# Altium PCB D5035_01.PcbDoc
Units mm, origin at the board's own origin, x right, y up, seen from the top; angles counter-clockwise.
Board outline 61 x 33 mm, 2 copper layers (Top Layer, Bottom Layer), stack 1.57 mm thick; 66 components, 57 nets, 257 pads, 37 vias.
Unrouted connection lines stored in the file: 1.
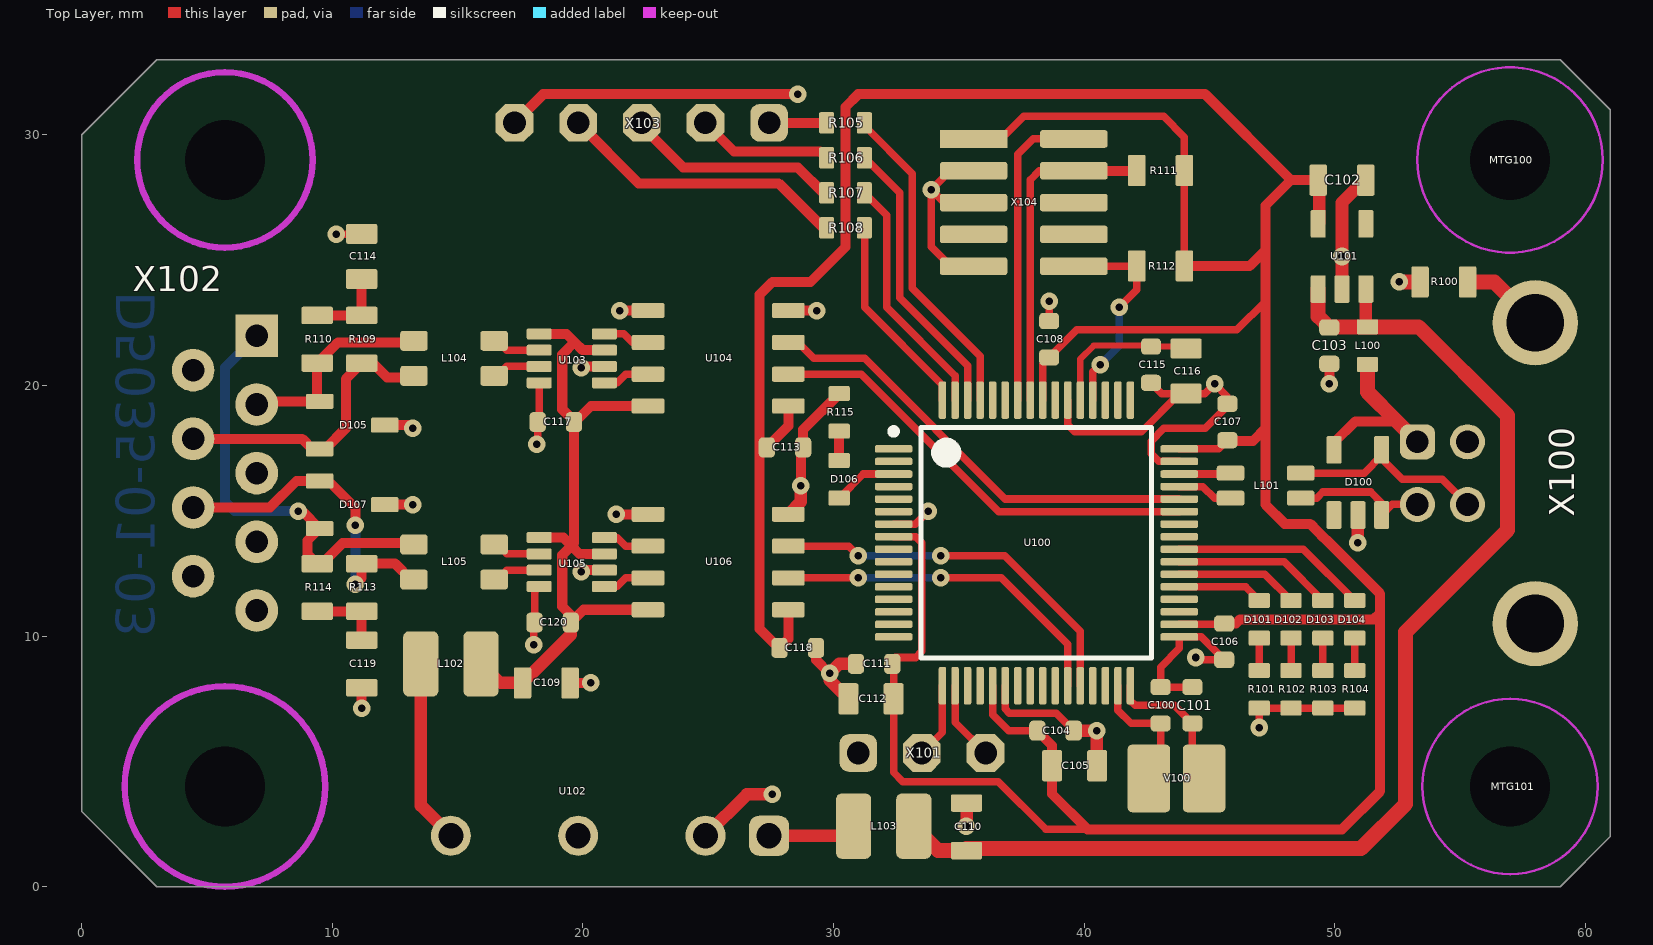
[diagram p0: Top Layer view]
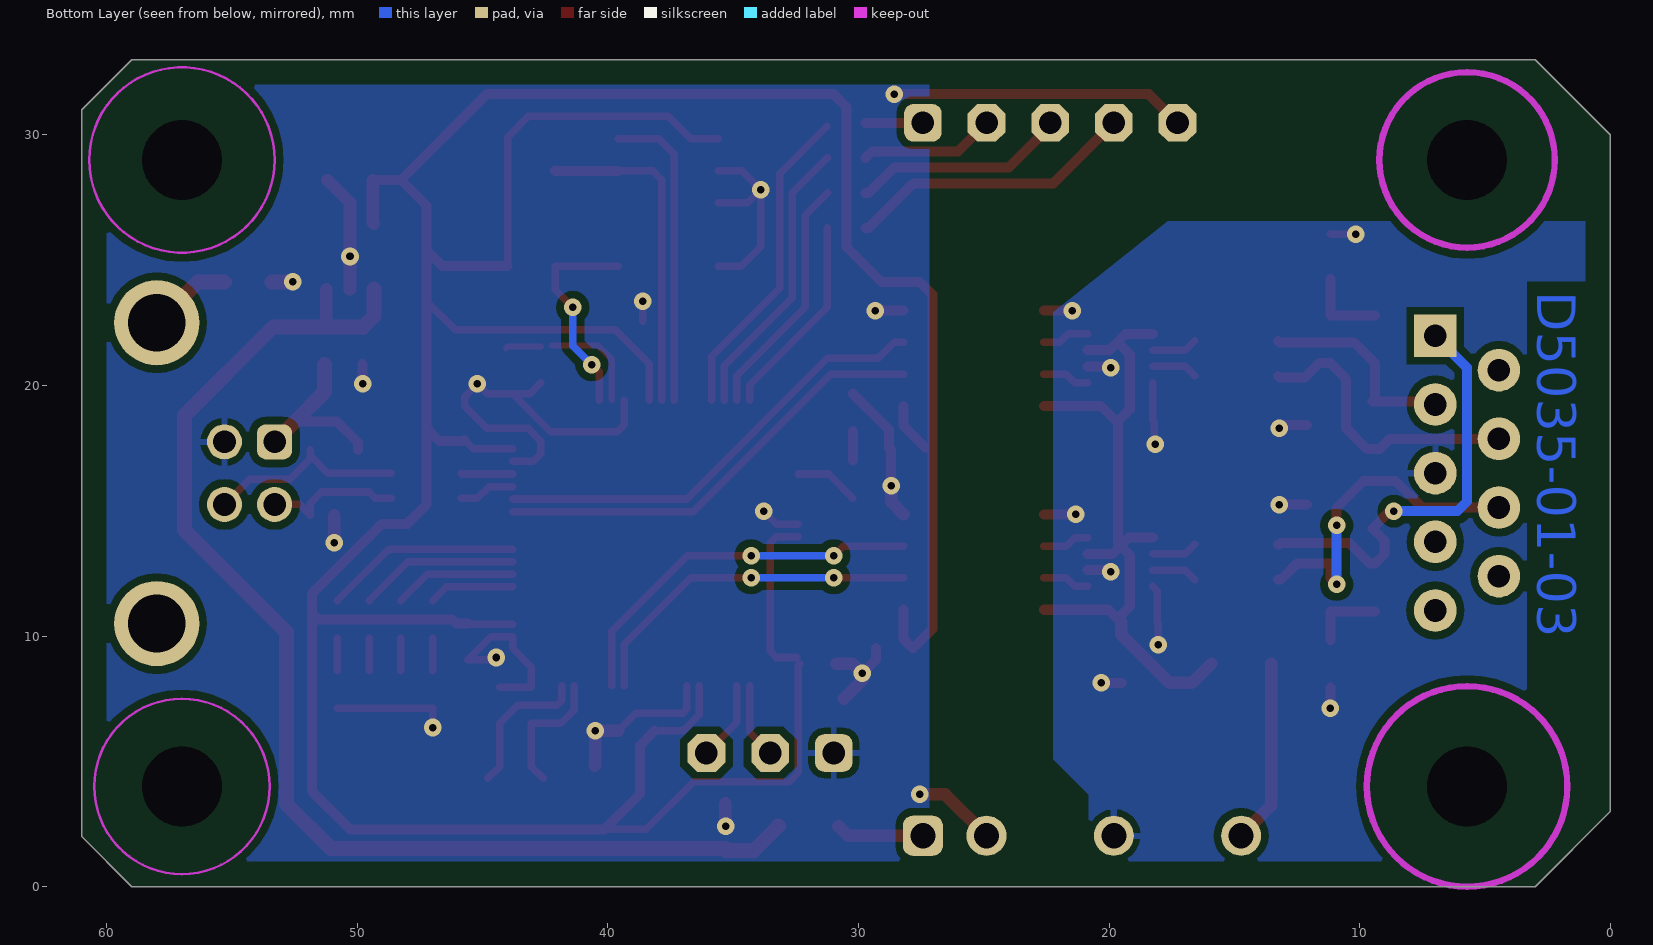
[diagram p1: Bottom Layer view, seen from below]
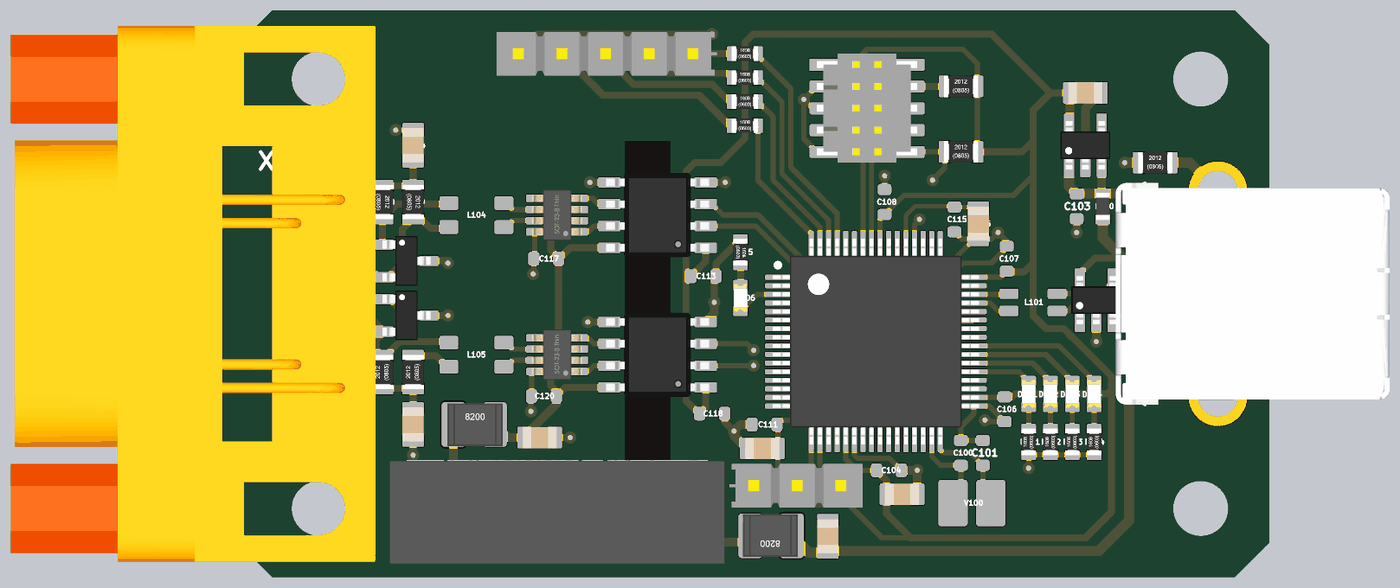
[diagram p2: 3D render of the assembled board from above, using the file's embedded part models]

## Layer stack, top to bottom
Top Solder: solder mask 0.01, Solder Resist, Dk 3.5
Top Layer: signal copper 0.035
Dielectric 1: dielectric 1.5, FR-4, Dk 4.8
Bottom Layer: signal copper 0.035
Bottom Solder: solder mask 0.01, Solder Resist, Dk 3.5

## Board outline
0,3 0,30 3,33 59,33 61,31 61,2 59,0 3,0

## Design rules (kind name [scope] priority, off if disabled: settings)
BoardOutlineClearance [All] p1: gap=1 ignorepadtopadclearanceinfootprint=FALSE
Clearance [All] p1: gap=0.152 ignorepadtopadclearanceinfootprint=FALSE except(0: Arc-Hole Track-Hole SMDPad-Hole THPad-Hole Via-Hole Fill-Hole Poly-Hole Region-Hole Text-Hole; 0.305: Arc-Poly Track-Poly SMDPad-Poly THPad-Poly Via-Poly Fill-Poly Poly-Poly) // 1
DiffPairsRouting [All] p1: maxlimit=0.254 minlimit=0.2 mostfreqgap=0.254 toplayer_minwidth=0.25 toplayer_maxwidth=0.381 toplayer_prefwidth=0.3 bottomlayer_minwidth=0.25 bottomlayer_maxwidth=0.381 bottomlayer_prefwidth=0.3 maxuncoupledlength=12.7
HoleSize [All] p1: absolutevalues=TRUE maxlimit=5.08 minlimit=0.3 maxpercent=80.000 minpercent=20.000
MinimumSolderMaskSliver [All] p1: minsoldermaskwidth=0.051
PasteMaskExpansion [All] p1 off: expansion=0
PolygonConnect PolygonConnect_2 [IsVia] p1: connectstyle=Direct reliefconductorwidth=0.254 reliefentries=4 polygonreliefangle="90 Angle" airgapwidth=0.254
PolygonConnect PolygonConnect_1 [IsPad] p2: thpad.connectstyle=Relief thpad.reliefconductorwidth=0.254 thpad.reliefentries=4 thpad.polygonreliefangle="90 Angle" thpad.airgapwidth=0.254 smdpad.connectstyle=Direct smdpad.reliefconductorwidth=0.254 smdpad.reliefentries=4 smdpad.polygonreliefangle="90 Angle" smdpad.airgapwidth=0.254 via.connectstyle=Direct via.reliefconductorwidth=0.254 via.reliefentries=4 via.polygonreliefangle="90 Angle" via.airgapwidth=0.254
PolygonConnect [All] p3: connectstyle=Relief reliefconductorwidth=0.406 reliefentries=4 polygonreliefangle="90 Angle" airgapwidth=0.254
RoutingVias [All] p1: holewidth=0.3 width=0.6 viastyle="Through Hole" minholewidth=0.3 minwidth=0.6 maxholewidth=1 maxwidth=2
SilkToBoardRegionClearance [All] p1 off:
SilkToSilkClearance [All] p1 off: silktosilkclearance=0.254
SilkToSolderMaskClearance [IsPad] p1 off: minsilkscreentomaskgap=0.254 clearancetoexposedcopper=TRUE
SolderMaskExpansion SolderMaskExpansion_VIA [IsVia] p1: expansion=0.051 istentingtop=FALSE soldermaskfromhole=TRUE
SolderMaskExpansion [All] p2: expansion=0.051 istentingtop=FALSE
Width [All] p1: maxlimit=2.54 minlimit=0.25 preferedwidth=0.3 minimp=50.000000 maximp=50.000000 favimp=50.000000
23 further rules are at their usual default settings.

## Components (designator, comment, footprint, x,y, rotation, side; value= is the part's Value field where it differs from the comment)
C100 "6p" CAPC1608X09L 43.053,7.239 r90 top
C101 "6p" CAPC1608X09L 44.323,7.239 r90 top
C102 "4µ7" CAPC2012X14L#1 50.292,28.194 r180 top
C103 "100n" CAPC1608X09L 49.784,21.59 r90 top
C104 "100n" CAPC1608X09L 38.862,6.223 r180 top
C105 "4µ7" CAPC2012X14L#2 39.624,4.826 r180 top
C106 "100n" CAPC1608X09L 45.593,9.779 r90 top
C107 "100n" CAPC1608X09L 45.72,18.542 r270 top
C108 "100n" CAPC1608X09L 38.608,21.844 r270 top
C109 "4µ7" CAPC2012X14L#1 18.542,8.128 r180 top
C110 "4µ7" CAPC2012X14L#1 35.31,2.387 r270 top
C111 "100n" CAPC1608X09L 31.623,8.89 r0 top
C112 "4µ7" CAPC2012X14L#2 31.496,7.493 r0 top
C113 "100n" CAPC1608X09L 28.067,17.526 r180 top
C114 "4n7" CAPC2012X14L#2 11.176,25.146 r270 top
C115 "100n" CAPC1608X09L 42.672,20.828 r90 top
C116 "4µ7" CAPC2012X14L#2 44.069,20.574 r90 top
C117 "100n" CAPC1608X09L 18.923,18.542 r0 top
C118 "100n" CAPC1608X09L 28.575,9.525 r180 top
C119 "4n7" CAPC2012X14L#1 11.176,8.89 r90 top
C120 "100n" CAPC1608X09L 18.796,10.541 r0 top
D100 "WE_824011" SOT95P280X110-5N 50.927,16.129 r90 top
D101 "red" DIOC1608X06N_LED 46.99,10.668 r90 top
D102 "yellow" DIOC1608X06N_LED 48.26,10.668 r90 top
D103 "green" DIOC1608X06N_LED 49.53,10.668 r90 top
D104 "blue" DIOC1608X06N_LED 50.8,10.668 r90 top
D105 "PESD1CAN" SOT95P280X110-3N 10.795,18.415 r0 top
D106 "green" DIOC1608X06N_LED 30.226,16.256 r270 top
D107 "PESD1CAN" SOT95P280X110-3N 10.795,15.24 r0 top
L100 "WE_742792641" INDC1608X06L 51.308,21.59 r90 top
L101 "WE_744232090" WE_744232090 47.244,16.002 r180 top
L102 "82103C" Murata_8200C 14.732,8.89 r0 top
L103 "82103C" Murata_8200C 32.004,2.413 r180 top
L104 "ACT1210-101-2P-TL00" ACT1210 14.859,21.082 r0 top
L105 "ACT1210-101-2P-TL00" ACT1210 14.859,12.954 r0 top
MTG100 "MH_M3" HOLE_3_2MM 57,29 r0 top
MTG101 "MH_M3" HOLE_3_2MM 57,4 r0 top
R100 "100k" RESC2012X06L 54.356,24.13 r0 top
R101 "1k" RESC1608X06L 46.99,7.874 r90 top
R102 "1k" RESC1608X06L 48.26,7.874 r90 top
R103 "1k" RESC1608X06L 49.53,7.874 r90 top
R104 "1k" RESC1608X06L 50.8,7.874 r90 top
R105 "1k" RESC1608X06L 30.48,30.48 r0 top
R106 "1k" RESC1608X06L 30.48,29.083 r0 top
R107 "1k" RESC1608X06L 30.48,27.686 r0 top
R108 "1k" RESC1608X06L 30.48,26.289 r0 top
R109 "4k7" RESC2012X06L 11.176,21.844 r270 top
R110 "4k7" RESC2012X06L 9.398,21.844 r270 top
R111 "10k" RESC2012X06L 43.053,28.575 r0 top
R112 "10k" RESC2012X06L 43.053,24.765 r0 top
R113 "4k7" RESC2012X06L 11.176,11.938 r90 top
R114 "4k7" RESC2012X06L 9.398,11.938 r90 top
R115 "1k" RESC1608X06L 30.226,18.923 r270 top
U100 "SAME51J19A-AU" TSQFP50P1200X1200X120-64N 38.1,13.716 r0 top
U101 "MIC5233-3.3YM5" SOT95P280X110-5N 50.292,25.146 r90 top
U102 "MER1S0505SC" MER1SxxxxC 19.812,2.032 r180 top
U103 "TCAN1044V" SOT65P280X100-8N 19.558,21.082 r180 top
U104 "SI8621EC-B-IS" SOIC127P600X175-8N 25.4,21.082 r180 top
U105 "TCAN1044V" SOT65P280X100-8N 19.558,12.954 r180 top
U106 "SI8621EC-B-IS" SOIC127P600X175-8N 25.4,12.954 r180 top
V100 "16MHz" NX3225Gx 43.688,4.318 r180 top
X100 "61729-0010BLF" 61729-XXXXXLF 58,16.5 r90 top
X101 "1x3 2,54mm" PINH_1x03_2_54mm 33.528,5.334 r0 top
X102 "9651226803" 09651226803 6.985,16.5 r90 top
X103 "1x5 2,54mm" PINH_1x05_2_54mm 22.352,30.48 r180 top
X104 "SWD" FTSH-105-01-L-DV-K 37.592,27.305 r270 top

## Footprints (in the part's own frame and the unit in brackets; to place one, negate y for a bottom-side part, rotate by r counter-clockwise, add the part's x,y. Pads: shape width x height; smd on the part's side, far side on the other; paste and mask are expansions set on the pad)
61729-XXXXXLF [mm] "USB Buchse"
  rrect50% 1.4x1.4 hole 0.9: 1(1.25,4.7)
  round 1.4 hole 0.9: 2(-1.25,4.7) 3(-1.25,2.7) 4(1.25,2.7)
  round 3.4 hole 2.3: Shell(-6,0) Shell(6,0)
  body extent -6.56,-10 6.56,5.94, height 1.15
09651226803 [mm]
  rect 1.7x1.7 hole 0.9: 1(5.48,0)
  round 1.7 hole 0.9: 2(2.74,0) 3(0,0) 4(-2.74,0) 5(-5.48,0) 6(4.11,2.54) 7(1.37,2.54) 8(-1.37,2.54) 9(-4.11,2.54)
  round 0 hole 3.2 unplated: SH(-12.5,1.27) SH(12.5,1.27)
  body extent -15.6,-2 15.6,19.2, height 13.62
ACT1210 [mm]
  rrect30% 1.1x0.8 smd: 1(-1.6,0.7) 2(-1.6,-0.7) 3(1.6,-0.7) 4(1.6,0.7)
  body extent -1.6,-1.3 1.6,1.3, height 2.5
CAPC1608X09L [mm] "Chip Capacitor, 2-Leads, Body 1,6x0,8mm, IPC High Density"
  rrect50% 0.65x0.8 smd: 1(-0.725,0) 2(0.725,0)
  body extent -0.8,-0.4 0.8,0.4, height 0.9
CAPC2012X14L#1 [mm] "Chip Capacitor, 2-Leads, Body 2,0x1,3mm, IPC High Density"
  rrect20% 0.7x1.25 smd: 1(-0.95,0) 2(0.95,0)
  body extent -1,-0.62 1,0.62, height 0.6
CAPC2012X14L#2 [mm] "Chip Capacitor, 2-Leads, Body 2,0x1,3mm, IPC High Density"
  rrect20% 0.8x1.25 smd: 1(-0.9,0) 2(0.9,0)
  body extent -1,-0.62 1,0.62, height 0.6
DIOC1608X06N_LED [mm]
  rrect20% 0.6x0.85 smd: 1(-0.75,0) 2(0.75,0)
  body extent -0.8,-0.4 0.8,0.4, height 0.7
FTSH-105-01-L-DV-K [mm] "SAMTEC FTSH 5pin doppelreihig, 1,27mm x 1,27mm"
  rect 0.7x2.7 smd: 1(-2.53,-2)
  rrect30% 0.7x2.7 smd: 2(-2.53,2) 3(-1.26,-2) 4(-1.26,2) 5(0.01,-2) 6(0.01,2) 7(1.28,-2) 8(1.28,2) 9(2.55,-2) 10(2.55,2)
  body extent -3.17,-2.92 3.18,2.92, height 6.11
HOLE_3_2MM [mm] "Mouting-Hole for screws M3 with keepout for washer"
  round 0 hole 3.2 unplated: 1(0,0)
  Keep-Out Layer circle w0.1: c0,0 r3.7
INDC1608X06L [mm] "Ferrite Bead 2-Leads, Body 1,6x0,8mm, IPC High Density"
  rrect20% 0.6x0.85 smd: 1(-0.75,0) 2(0.75,0)
  body extent -0.8,-0.4 0.8,0.4, height 0.8
MER1SxxxxC [mm]
  rrect50% 1.6x1.6 hole 1: 1(-7.62,0)
  round 1.6 hole 1: 2(-5.08,0) 4(0,0) 6(5.08,0)
  body extent -9.5,-4.77 10,1.25, height 10.1
Murata_8200C [mm]
  rrect30% 1.4x2.6 smd paste+0 mask+0.102: 1(-1.2,0)
  rrect30% 1.4x2.6 smd: 2(1.2,0)
  body extent -1.55,-1.26 1.65,1.24, height 2
NX3225Gx [mm] "Quartz Crystal Units NX3225Gx for Automotive, 2-Leads, Body 3.2x2.5mm, IPC Medium Density"
  rrect20% 1.7x2.7 smd: 1(-1.1,0) 2(1.1,0)
  body extent -1.7,-1.3 1.7,1.3, height 1
PINH_1x03_2_54mm [mm] "Pin-Header 3 polig"
  rrect50% 1.5x1.5 hole 0.9: 1(-2.54,0)
  oct 1.5x1.5 hole 0.9: 2(0,0) 3(2.54,0)
  body extent -3.94,-1.27 3.81,1.27, height 8.38
PINH_1x05_2_54mm [mm] "Pin-Header 5 polig"
  rrect50% 1.5x1.5 hole 0.9: 1(-5.08,0)
  oct 1.5x1.5 hole 0.9: 2(-2.54,0) 3(0,0) 4(2.54,0) 5(5.08,0)
  body extent -6.5,-1.27 6.32,1.27, height 8.38
RESC1608X06L [mm] "Chip Resistor, 2-Leads, Body 1,6x0,8mm, IPC High Density"
  rrect20% 0.6x0.85 smd: 1(-0.75,0) 2(0.75,0)
  body extent -0.78,-0.43 0.78,0.43, height 0.45
RESC2012X06L [mm] "Chip Resistor, 2-Leads, Body 2,0x1,3mm, IPC High Density"
  rrect20% 0.7x1.25 smd: 1(-0.95,0) 2(0.95,0)
  body extent -1,-0.62 1,0.62, height 0.45
SOIC127P600X175-8N [mm] "SOIC, 8-Leads, Body 5,0x4,0mm (max), Pitch 1,27mm, IPC Medium Density"
  rrect20% 1.3x0.6 smd: 1(-2.8,1.905) 2(-2.8,0.635) 3(-2.8,-0.635) 4(-2.8,-1.905) 5(2.8,-1.905) 6(2.8,-0.635) 7(2.8,0.635) 8(2.8,1.905)
  body extent -3,-2.45 3,2.45, height 1.7
SOT65P280X100-8N [mm] "SOT23, 8-Leads, Body 3,0x3,0mm (max), Pitch 0,65mm, IPC Medium Density"
  rrect30% 1x0.44 smd: 1(-1.3,0.975) 2(-1.3,0.325) 3(-1.3,-0.325) 4(-1.3,-0.975) 5(1.3,-0.975) 6(1.3,-0.325) 7(1.3,0.325) 8(1.3,0.975)
  body extent -1.47,-1.47 1.47,1.47, height 1.1
SOT95P280X110-3N [mm] "SOT23, 3-Leads, Body 3,0x3,0mm (max), Pitch 0,95mm, IPC Medium Density"
  rrect20% 1.1x0.6 smd: 1(-1.3,0.95) 2(-1.3,-0.95) 3(1.3,0)
  body extent -1.4,-1.45 1.4,1.45, height 1.3
SOT95P280X110-5N [mm] "SOT23, 5-Leads, Body 3,0x3,0mm (max), Pitch 0,95mm, IPC Medium Density"
  rrect20% 1.1x0.6 smd: 1(-1.3,0.95) 2(-1.3,0) 3(-1.3,-0.95) 4(1.3,-0.95) 5(1.3,0.95)
  body extent -1.4,-1.45 1.4,1.45, height 1.45
TSQFP50P1200X1200X120-64N [mm] "TSQFP, 64-Leads, Body 10,00x10,00mm, Pitch 0,50mm, IPC Medium Density"
  rrect50% 1.5x0.3 smd: 1(-5.7,3.75) 2(-5.7,3.25) 3(-5.7,2.75) 4(-5.7,2.25) 5(-5.7,1.75) 6(-5.7,1.25) 7(-5.7,0.75) 8(-5.7,0.25) 9(-5.7,-0.25) 10(-5.7,-0.75) 11(-5.7,-1.25) 12(-5.7,-1.75) 13(-5.7,-2.25) 14(-5.7,-2.75) 15(-5.7,-3.25) 16(-5.7,-3.75) 33(5.7,-3.75) 34(5.7,-3.25) 35(5.7,-2.75) 36(5.7,-2.25) 37(5.7,-1.75) 38(5.7,-1.25) 39(5.7,-0.75) 40(5.7,-0.25) 41(5.7,0.25) 42(5.7,0.75) 43(5.7,1.25) 44(5.7,1.75) 45(5.7,2.25) 46(5.7,2.75) 47(5.7,3.25) 48(5.7,3.75)
  rrect50% 0.3x1.5 smd: 17(-3.75,-5.7) 18(-3.25,-5.7) 19(-2.75,-5.7) 20(-2.25,-5.7) 21(-1.75,-5.7) 22(-1.25,-5.7) 23(-0.75,-5.7) 24(-0.25,-5.7) 25(0.25,-5.7) 26(0.75,-5.7) 27(1.25,-5.7) 28(1.75,-5.7) 29(2.25,-5.7) 30(2.75,-5.7) 31(3.25,-5.7) 32(3.75,-5.7) 49(3.75,5.7) 50(3.25,5.7) 51(2.75,5.7) 52(2.25,5.7) 53(1.75,5.7) 54(1.25,5.7) 55(0.75,5.7) 56(0.25,5.7) 57(-0.25,5.7) 58(-0.75,5.7) 59(-1.25,5.7) 60(-1.75,5.7) 61(-2.25,5.7) 62(-2.75,5.7) 63(-3.25,5.7) 64(-3.75,5.7)
  silkscreen extent -5.82,-4.6 4.6,4.6, body extent -6,-6 6,6, height 1.2
WE_744232090 [mm] "SMD Stromkomp. Datenleitungsfilter WE-CNSW"
  rrect30% 1.1x0.6 smd: 1(-1.4,0.5) 2(1.4,0.5) 3(1.4,-0.5) 4(-1.4,-0.5)
  body extent -1.7,-0.9 1.7,0.9, height 1.8

## Part data
C100 C101 C103 C104 C106 C107 C108 C111 C113 C115 C117 C118 C120: library part CAPC_0603, "0603 Chip Capacitor", Bauteilart=Capacitor, Editor=rriedel, Kategorie=generic, PackageDescription=0603, Part Number=CAPC_0603, Status=tested, Unterart=unpolarized
C102 C105 C109 C110 C112 C114 C116 C119: library part CAPC_0805, "0805 Chip Capacitor", Bauteilart=Capacitor, Editor=rriedel, Kategorie=generic, PackageDescription=0805, Part Number=CAPC_0805, Status=tested, Unterart=unpolarized
D100: "TVS Diode Array WE-TVS", Manufacturer=Wuerth, Bauteilart=Diode, Date=22.06.2020, Distributor_1=Digi-Key, Distributor_1_Part_Number=732-4465-1-ND, Editor=rriedel, Kategorie=Part, PackageDescription=SOT23-5, Part Number=WE_824011, Part_Number_1=824011, Status=new, Unterart=ESD
D101 D102 D103 D104 D106: library part LED_0603, "LED, 0603", Bauteilart=Diode, Date=29.06.2020, Editor=rriedel, Kategorie=generic, PackageDescription=0603, Part Number=LED_0603, Status=new, Unterart=generic
D105 D107: "CAN bus ESD protection diode", Manufacturer=Nexperia, Bauteilart=Diode, Date=27.06.2020, Distributor_1=Digi-Key, Distributor_1_Part_Number=1727-3817-1-ND, Editor=rriedel, Kategorie=Part, PackageDescription=SOT23, Part Number=PESD1CAN, Part_Number_1=PESD1CAN, Status=new, Unterart=Transil
L100: "SMT EMI suppression ferrite bead WE-CBF", Manufacturer=Wuerth, Bauteilart=Inductor, Date=22.06.2020, Distributor_1=Digi-Key, Distributor_1_Part_Number=732-1592-1-ND, Editor=rriedel, Kategorie=Part, PackageDescription=0603, Part Number=WE_742792641, Part_Number_1=742792641, Status=new, Unterart="Ferrite Bead"
L101: "SMD common mode noise suppressor WE-CNSW", Manufacturer=Wuerth, Bauteilart=Inductor, Date=22.06.2020, Distributor_1=Digi-Key, Distributor_1_Part_Number=732-1469-1-ND, Editor=rriedel, Kategorie=Part, PackageDescription=3216, Part Number=WE_744232090, Part_Number_1=744232090, Status=new, Unterart=Filter
L102 L103: "10µH, 0,5A, 400mR", Manufacturer=Murata, Bauteilart=Inductor, Date=27.06.2020, Distributor_1=Digi-Key, Distributor_1_Part_Number=811-2473-1-ND, Editor=rriedel, Kategorie=Part, PackageDescription="3,2x2,5 mm", Part Number=82103C, Part_Number_1=82103C, Status=new, Unterart=Power
L104 L105: "Common Mode Filter,  -50°C ... +150°C, AEC-Q200", Manufacturer=TDK, Bauteilart=Inductor, Date=17.10.2017, Distributor_1=Farnell, Distributor_1_Part_Number=2442838, Distributor_2=Digi-Key, Distributor_2_Part_Number=445-172386-1-ND, Editor=rriedel, Kategorie=Part, PackageDescription=3225, Part Number=ACT1210-101-2P-TL00, Part_Number_1=ACT1210-101-2P-TL00, Status=tested, Unterart=Filter
MTG100 MTG101: "Mounting-Hole for M3 screws", Bauteilart=Mechanic, Date=13.05.2018, Editor=rriedel, Kategorie=No_Bom, Part Number=MH_M3, Status=tested, Unterart=Holes
R100 R109 R110 R111 R112 R113 R114: library part RESC_0805, "0805 Chip Resistor", Bauteilart=Resistor, Editor=rriedel, Kategorie=generic, PackageDescription=0805, Part Number=RESC_0805, Status=tested, Unterart=generic
R101 R102 R103 R104 R105 R106 R107 R108 R115: library part RESC_0603, "0603 Chip Resistor", Bauteilart=Resistor, Editor=rriedel, Kategorie=generic, PackageDescription=0603, Part Number=RESC_0603, Status=tested, Unterart=generic
U100: "32-bit Microcontroller, 120MHz Cortex M4-F, 512k FLASH,  2x CAN-FD, -40…85°C", Manufacturer=Microchip, Bauteilart=MikroController, Date=15.07.2018, Distributor_1=Digi-Key, Distributor_1_Part_Number=ATSAME51J19A-AUTCT-ND, Editor=rriedel, Kategorie=Part, PackageDescription=TQFP64-0.5mm, Part Number=SAME51J19A-AU, Part_Number_1=SAME51J19A-AU, Status=tested, Unterart="32bit Microchip"
U101: library part MIC5233-3.3, "100 mA LDO,  Vout= 3,3V, -40°C..125°C", Manufacturer=Microchip, Bauteilart=IC, ComponenLinkDescription=Datasheet, ComponenLinkURL="D:\Altium_lib_HW-Labor_GF\Altium_lib\Datenblaetter\pcb\Integrierte Schaltkreise\Microchip\mic5233.pdf", Date=15.09.2016, Distributor_1=Farnell, Distributor_1_Part_Number=2510274, Editor=rriedel, Kategorie=Part, PackageDescription=SOT23-5, Part Number=MIC5233-3.3, Part_Number_1=MIC5233-3.3YM5, Status=tested, Unterart=Linear-Regulators
U102: "Isolated 1W Single Output DC-DC Converters 5V/5V 200mA", Manufacturer=Murata, Bauteilart=Module, Date=27.06.2020, Distributor_1=Digi-Key, Distributor_1_Part_Number=811-2124-5-ND‎, Editor=rriedel, Kategorie=Part, PackageDescription="4Pin SIP", Part Number=MER1S0505SC, Part_Number_1=MER1S0505SC, Status=new, Unterart=DCDC
U103 U105: "CAN-FD transceiver 8MBit, VIO Pin", Manufacturer=TI, Bauteilart=IC, Date=28.06.2020, Distributor_1=Digi-Key, Distributor_1_Part_Number=296-TCAN1044VDDFRCT-ND, Editor=rriedel, Kategorie=Part, PackageDescription=SOT23-8, Part Number=TCAN1044V, Part_Number_1=TCAN1044VDDFR, Status=new, Unterart=CAN
U104 U106: "Dual channel digital isolator, 150Mbit, 3,75kV", Manufacturer="Silicon Labs", Bauteilart=IC, Date=29.06.2020, Distributor_1=Digi-Key, Distributor_1_Part_Number=336-4776-1-ND, Editor=rriedel, Kategorie=Part, PackageDescription=SO8, Part Number=SI8621EC-B-IS, Part_Number_1=SI8621EC-B-IS, Status=new, Unterart=Isolator
V100: library part NX3225GB-16.000000MHZ, "16.000MHz Crystal SMD, 3.2x2.5mm, 8pF, 50ppm,  -40..+150°C", Manufacturer=NDK, Bauteilart=Crystal, Date=22.10.2015, Distributor_1=Digi-Key, Distributor_1_Part_Number=644-1233-1-ND, Distributor_2=Frischer, Editor=rriedel, Kategorie=Part, PackageDescription="NX3225Gx 3,2mm x 2,5mm", Part Number=NX3225GB-16.000000MHZ, Part_Number_1=NX3225GB-16M-STD-CRA-2, Status=tested, Unterart="NX3225GB automotive"
X100: "USB-B socket, THT", Manufacturer=Amphenol, Bauteilart=Connector, Date=28.06.2020, Distributor_1=Digi-Key, Distributor_1_Part_Number=609-1039-ND, Editor=rriedel, Kategorie=Part, PackageDescription=USB-B, Part Number=61729-0010BLF, Part_Number_1=61729-0010BLF, Status=new, Unterart=USB
X101: library part PINH_1x3_2_54, "Pin-Header 2,54 mm 3pins", Bauteilart=Connector, Date=02.02.2017, Editor=rriedel, Kategorie=generic, Part Number=PINH_1x3_2_54, Status=tested, Unterart=Pin-Header
X102: "D-Sub, 9 pin, male, right angle", Manufacturer=Harting, Bauteilart=Connector, Date=29.06.2020, Distributor_1=Farnell, Distributor_1_Part_Number=2752007, Editor=rriedel, Kategorie=Part, PackageDescription=D-Sub, Part Number=9651226803, Part_Number_1=9651226803, Status=new, Unterart=D-Sub
X103: library part PINH_1x5_2_54, "Pin-Header 2,54 mm 5pins", Bauteilart=Connector, Date=20.06.2017, Editor=rriedel, Kategorie=generic, Part Number=PINH_1x5_2_54, Status=tested, Unterart=Pin-Header
X104: "ARM Debug-Header 2x5 1,27 mm", Bauteilart=Connector, Date=12.08.2018, Editor=rriedel, Kategorie=Part, PackageDescription="2x5 1,27mm", Part Number=SWD, Status=tested, Unterart=Debug

## Via types
v1: diameter 0.7, hole 0.3, Top Layer to Bottom Layer, tented both sides, 37 vias

## Nets (pads, with @x,y where several pads share a name; then routed paths per layer and width w, separated by ;. In a path a pad name is that pad's centre, name@x,y a point inside that pad or via, vN(x,y) a via of type N, cw(c..) or ccw(c..) an arc to the next point about the centre after c; other vN are vias at no path point)
3V3: C102.2 C104.2 C105.2 C106.2 C107.2 C108.2 C111.2 C112.2 C113.2 C118.2 R111.2 R112.2 U100.8 U100.21 U100.34 U100.48 U100.56 U101.5 U104.1 U106.1 X104.1 | length 158.9
  Top Layer w0.3: C111.2 32.396,8.842 C112.2 32.396,4.561 32.766,4.191 36.576,4.191 38.481,2.286 40.132,2.286 ; U100.8 33.278,13.966 33.528,13.716 33.528,9.398 33.274,9.144 C111.2@32.475,9.144 ; X104.1 36.693,29.835 37.592,30.734 43.18,30.734 44.003,29.911 R111.2 R112.2 ; U100.21 36.35,6.867 36.994,6.223 C104.2 ; U100.56 38.35,20.861 C108.2 39.714,22.225 46.101,22.225 47.244,23.368 ; U100.34 45.555,10.466 C106.2 ; U100.48 45.369,17.466 C107.2
  Top Layer w0.4: C113.2@27.178,17.526 C113.2 28.2,18.384 U104.1 ; C118.2@27.813,9.525 27.051,10.287 27.051,17.526 27.051,23.622 27.559,24.13 29.083,24.13 30.48,25.527 30.48,31.115 30.988,31.623 44.831,31.623 48.26,28.194 ; C118.2 28.2,9.875 U106.1 ; C104.2 38.724,5.636 C105.2 38.724,3.694 40.132,2.286 50.292,2.286 51.816,3.81 51.816,10.922 ; R112.2 46.609,24.765 47.244,25.4 ; C106.2 46.064,10.504 46.228,10.668 51.562,10.668 51.816,10.922 ; C107.2 45.757,17.78 46.736,17.78 47.244,18.288 ; C102.2@49.392,28.194 C102.2 48.26,28.194 ; 47.244,18.288 47.244,23.368 47.244,25.4 ; 47.244,18.288 47.244,15.24 48.006,14.478 49.022,14.478 49.325,14.175 49.325,14.168 49.566,13.927 49.573,13.927 49.7,13.8 51.816,11.684 51.816,10.922 ; 47.244,25.4 47.244,27.178 48.26,28.194
  Top Layer w0.5: U101.5 49.392,26.496 C102.2@49.392,28.194
5V: C103.2 C110.2 L100.2 L103.1 U101.1 U101.3 | length 49.8
  Top Layer w0.5: U101.3 51.242,22.406 L100.2
  Top Layer w0.6: L103.1 34.18,1.437 C110.2 ; C110.2@35.31,1.524 51.054,1.524 52.832,3.302 52.832,10.16 56.896,14.224 56.896,18.796 53.352,22.34 L100.2 49.809,22.34 C103.2 49.342,22.757 U101.1
5V2: C109.2 C117.2 C120.2 L102.2 U103.3 U103.5 U104.8 U105.3 U105.5 U106.8 | length 29.3
  Top Layer w0.4: U105.5 19.218,13.929 19.543,13.604 ; U103.5 19.345,22.057 19.67,21.732 ; C117.2 19.648,13.709 19.543,13.604 ; U105.3 19.868,13.279 19.543,13.604 ; U103.3 19.995,21.407 19.67,21.732 ; U106.8 20.029,11.049 C120.2 19.521,10.832 19.177,11.176 19.177,13.238 19.543,13.604 ; U104.8 20.32,19.177 19.685,18.542 19.177,19.05 19.177,21.239 19.67,21.732
  Top Layer w0.5: L102.2 16.694,8.128 C109.2 19.521,10.057 C120.2
CAN_RX_1: U100.44 U104.3 | length 18.2
  Top Layer w0.305: U104.3 28.575,21.717 29.21,21.082 31.242,21.082 36.858,15.466 U100.44
CAN_RX_2: U100.28 U106.3 | length 15.2
  Top Layer w0.3: U106.3 30.607,13.589 v1(30.988,13.208) ; v1(34.29,13.208) 36.83,13.208 39.85,10.188 U100.28
  Bottom Layer w0.3: v1(30.988,13.208) v1(34.29,13.208)
CAN_TX_1: U100.43 U104.2 | length 17.9
  Top Layer w0.305: U104.2 31.115,20.447 36.596,14.966 U100.43
CAN_TX_2: U100.27 U106.2 | length 13.9
  Top Layer w0.3: U106.2 v1(30.988,12.319) ; v1(34.29,12.319) 36.703,12.319 39.35,9.672 U100.27
  Bottom Layer w0.3: v1(30.988,12.319) v1(34.29,12.319)
Debug_LED: D106.2 U100.3 | length 2.6
  Top Layer w0.3: D106.2 31.186,16.466 U100.3
GND: C100.2 C101.2 C102.1 C103.1 C104.1 C105.1 C106.1 C107.1 C108.1 C110.1 C111.1 C112.1 C113.1 C115.1 C116.1 C118.1 D100.2 R100.1 R101.1 R102.1 R103.1 R104.1 R115.1 U100.7 U100.22 U100.33 U100.47 U100.54 U101.2 U102.2 U104.4 U106.4 X100.4 X101.1 X103.5 X104.3 X104.5 X104.9 | length 78.1
  Top Layer w0.3: U100.7 33.262,14.466 v1(33.782,14.986) ; X104.9 34.681,24.755 33.909,25.527 v1(33.909,27.813) ; X104.5 34.427,27.295 v1(33.909,27.813) ; X104.3 34.661,28.565 v1(33.909,27.813) ; U100.22 36.85,7.092 37.017,6.925 38.885,6.925 C104.1 ; C108.1 v1(38.608,23.368) ; U100.54 39.35,18.435 39.624,18.161 42.291,18.161 C116.1@43.804,19.674 ; C115.1 43.101,19.674 C116.1@43.804,19.674 ; U100.47 42.978,16.966 42.672,17.272 42.672,17.78 43.18,18.288 44.831,18.288 45.72,19.177 C107.1 45.72,19.558 v1(45.212,20.066) 44.82,19.674 C116.1 C116.1@43.804,19.674 ; C101.2 C100.2 43.053,8.763 43.8,9.51 U100.33 44.681,9.966 C106.1 44.54,9.054 v1(44.45,9.144) ; v1(46.99,6.35) R101.1 R102.1 R103.1 R104.1
  Top Layer w0.4: X103.5 18.415,31.623 v1(28.575,31.623) ; U104.4 v1(29.337,22.987) ; v1(28.702,16.002) 28.702,17.436 C113.1 28.792,18.239 R115.1 ; C118.1 29.3,9.054 v1(29.845,8.509) ; v1(49.784,20.066) C103.1
  Top Layer w0.5: U102.2 26.543,3.683 v1(27.559,3.683) ; U106.4 28.702,15.361 v1(28.702,16.002) ; C112.1 29.845,8.244 v1(29.845,8.509) 30.226,8.89 C111.1 ; v1(35.306,2.413) 35.31,2.417 C110.1 ; C104.1 v1(40.513,6.223) 40.513,4.837 C105.1 ; U101.2 v1(50.292,25.146) 50.292,27.294 C102.1@51.192,28.194 ; v1(50.927,13.716) D100.2
  Top Layer w0.6: v1(52.578,24.13) R100.1
GND2: C109.1 C114.1 C117.1 C119.1 C120.1 D105.3 D107.3 U102.4 U103.2 U103.8 U104.5 U105.2 U105.8 U106.5 X102.3 | length 14.2
  Top Layer w0.3: v1(10.16,26.035) 11.165,26.035 C114.1 ; v1(18.034,9.652) 18.034,10.504 C120.1 18.071,11.792 U105.8 ; v1(18.161,17.653) 18.198,17.69 C117.1 18.258,18.602 U103.8
  Top Layer w0.4: v1(11.176,7.112) C119.1 ; D107.3 v1(13.208,15.24) ; D105.3 13.081,18.415 v1(13.208,18.288) ; C109.1 v1(20.32,8.128) ; v1(19.939,12.573) 19.995,12.629 U105.2 ; v1(19.939,20.701) 19.995,20.757 U103.2 ; v1(21.336,14.859) U106.5 ; v1(21.463,22.987) U104.5
NetC100_1: C100.1 U100.31 V100.2 | length 5.3
  Top Layer w0.3: U100.31 41.35,7.037 41.873,6.514 C100.1 43.053,4.783 V100.2
NetC101_1: C101.1 U100.32 V100.1 | length 5.8
  Top Layer w0.3: U100.32 41.85,7.426 42.037,7.239 43.598,7.239 C101.1 44.323,4.783 V100.1
NetC114_2: C114.2 R109.1 R110.1 | length 3.2
  Top Layer w0.4: R110.1 R109.1 C114.2
NetC115_2: C115.2 C116.2 U100.53 | length 5.7
  Top Layer w0.25: U100.53 39.85,21.054 40.386,21.59 42.254,21.59 ; C115.2 43.99,21.553 C116.2
NetC119_2: C119.2 R113.1 R114.1 | length 2.9
  Top Layer w0.4: R114.1 R113.1 C119.2
NetD100_3: D100.3 L101.1 X100.2 | length 5.6
  Top Layer w0.3: L101.1 49.284,15.502 49.53,15.748 51.435,15.748 51.877,15.306 D100.3 52.298,15.25 X100.2
NetD100_4: D100.4 L101.4 X100.3 | length 8.1
  Top Layer w0.3: L101.4 51.173,16.502 D100.4@51.877,17.206 ; D100.4 D100.4@51.877,17.206 ; X100.3 54.294,16.256 52.705,16.256 51.877,17.084 D100.4@51.877,17.206
NetD101_1: D101.1 R101.2 | length 1.3
  Top Layer w0.3: R101.2 D101.1
NetD101_2: D101.2 U100.37 | length 3.4
  Top Layer w0.3: U100.37 46.442,11.966 D101.2
NetD102_1: D102.1 R102.2 | length 1.3
  Top Layer w0.3: R102.2 D102.1
NetD102_2: D102.2 U100.38 | length 4.9
  Top Layer w0.3: U100.38 47.212,12.466 D102.2
NetD103_1: D103.1 R103.2 | length 1.3
  Top Layer w0.3: R103.2 D103.1
NetD103_2: D103.2 U100.39 | length 6.4
  Top Layer w0.3: U100.39 47.982,12.966 D103.2
NetD104_1: D104.1 R104.2 | length 1.3
  Top Layer w0.3: R104.2 D104.1
NetD104_2: D104.2 U100.40 | length 7.8
  Top Layer w0.3: U100.40 48.752,13.466 D104.2
NetD106_1: D106.1 R115.2 | length 1.2
  Top Layer w0.4: D106.1 R115.2
NetL102_1: L102.1 U102.6 | length 7.4
  Top Layer w0.5: L102.1 13.532,3.232 U102.6
NetL103_2: L103.2 U102.1 | length 3.5
  Top Layer w0.5: U102.1 30.423,2.032 L103.2
NetL104_3: L104.3 U103.7 | length 1.8
  Top Layer w0.3: L104.3@16.586,20.382 16.961,20.757 U103.7
NetL104_4: L104.4 U103.6 | length 1.8
  Top Layer w0.3: L104.4@16.586,21.782 16.961,21.407 U103.6
NetL105_3: L105.3 U105.7 | length 1.8
  Top Layer w0.3: L105.3@16.586,12.254 16.961,12.629 U105.7
NetL105_4: L105.4 U105.6 | length 1.8
  Top Layer w0.3: L105.4@16.586,13.654 16.961,13.279 U105.6
NetR100_2: R100.2 X100.Shell | length 3.4
  Top Layer w0.6: R100.2 56.37,24.13 X100.Shell@58,22.5
NetR105_1: R105.1 X103.1 | length 2.3
  Top Layer w0.4: X103.1 R105.1
NetR105_2: R105.2 U100.61 | length 12.8
  Top Layer w0.3: R105.2@31.262,30.333 33.147,28.448 33.147,23.876 35.85,21.173 U100.61
NetR106_1: R106.1 X103.2 | length 5.4
  Top Layer w0.4: X103.2 26.035,29.337 29.464,29.337 R106.1@29.718,29.083
NetR106_2: R106.2 U100.62 | length 11.4
  Top Layer w0.3: R106.2 31.242,29.083 32.639,27.686 32.639,23.495 35.35,20.784 U100.62
NetR107_1: R107.1 X103.3 | length 8.6
  Top Layer w0.4: X103.3 22.352,30.353 24.003,28.702 28.575,28.702 29.591,27.686 R107.1
NetR107_2: R107.2 U100.63 | length 9.8
  Top Layer w0.3: R107.2@31.236,27.692 32.131,26.797 32.131,23.114 34.85,20.395 U100.63
NetR108_1: R108.1 X103.4 | length 11.7
  Top Layer w0.4: X103.4 22.225,28.067 27.813,28.067 29.591,26.289 R108.1
NetR108_2: R108.2 U100.64 | length 8.2
  Top Layer w0.3: R108.2@31.242,26.289 31.242,23.114 34.35,20.006 U100.64
NetU100_17: U100.17 X101.2 | length 3
  Top Layer w0.3: X101.2 34.35,6.156 U100.17
NetU100_18: U100.18 X101.3 | length 3.2
  Top Layer w0.3: U100.18 34.85,6.552 X101.3
NetU103_1: U103.1 U104.7 | length 1.9
  Top Layer w0.3: U103.1 21.377,20.107 21.717,20.447 U104.7
NetU103_4: U103.4 U104.6 | length 1.9
  Top Layer w0.3: U103.4 21.631,22.057 21.971,21.717 U104.6
NetU105_1: U105.1 U106.7 | length 1.9
  Top Layer w0.3: U105.1 21.377,11.979 21.717,12.319 U106.7
NetU105_4: U105.4 U106.6 | length 1.9
  Top Layer w0.3: U105.4 21.377,13.929 21.717,13.589 U106.6
RESETN: R112.1 U100.52 X104.10 | length 8.6
  Top Layer w0.3: X104.10 39.602,24.765 R112.1 42.103,23.815 v1(41.402,23.114) ; U100.52 40.35,20.538 v1(40.64,20.828)
  Bottom Layer w0.3: v1(40.64,20.828) 41.402,21.59 v1(41.402,23.114)
SWCLK: R111.1 U100.57 X104.4 | length 13.2
  Top Layer w0.3: U100.57 37.85,28.198 38.217,28.565 X104.4
  Top Layer w0.4: X104.4 42.093,28.565 R111.1
SWDIO: U100.58 X104.2 | length 12.3
  Top Layer w0.3: U100.58 37.35,29.222 37.963,29.835 X104.2
USB_N: L101.2 U100.45 | length 2.2
  Top Layer w0.3: U100.45 44.74,15.966 45.212,15.494 45.836,15.494 L101.2
USB_P: L101.3 U100.46 | length 2.1
  Top Layer w0.3: U100.46 45.808,16.466 L101.3
VBUS: D100.5 L100.1 X100.1 | length 7.1
  Top Layer w0.4: D100.5 49.977,17.719 50.829,18.571 52.479,18.571
  Top Layer w0.6: L100.1 51.308,19.742 52.479,18.571 X100.1
X_CAN_1_H: D105.2 L104.2 R109.2 X102.7 | length 11.8
  Top Layer w0.4: X102.7 8.8,17.87 9.205,17.465 D105.2 9.718,17.465 10.541,18.288 10.541,20.259 R109.2 11.618,20.894 12.192,20.32 13.197,20.32 L104.2
X_CAN_1_L: D105.1 L104.1 R110.2 X102.2 | length 8.4
  Top Layer w0.4: X102.2 7.11,19.365 D105.1 9.398,19.462 R110.2 10.221,21.717 13.194,21.717 L104.1
X_CAN_2_H: D107.1 L105.2 R113.2 X102.8 | length 13.7
  Top Layer w0.4: X102.8 7.51,15.13 8.57,16.19 D107.1 9.845,16.19 10.922,15.113 v1(10.922,14.418) ; v1(10.922,12.065) 11.176,12.319 R113.2 12.512,12.888 13.146,12.254 L105.2
  Bottom Layer w0.4: v1(10.922,12.065) v1(10.922,14.418)
X_CAN_2_L: D107.2 L105.1 R114.2 X102.1 | length 17.4
  Top Layer w0.4: v1(8.636,14.986) 8.799,14.986 D107.2 9.017,13.812 9.017,13.269 R114.2 9.586,12.888 10.414,13.716 13.146,13.716 13.208,13.654 L105.1
  Bottom Layer w0.4: X102.1 5.715,20.71 5.715,15.367 6.096,14.986 v1(8.636,14.986)
pads on no net: D100.1 MTG100.1 MTG101.1 U100.1 U100.2 U100.4 U100.5 U100.6 U100.9 U100.10 U100.11 U100.12 U100.13 U100.14 U100.15 U100.16 U100.19 U100.20 U100.23 U100.24 U100.25 U100.26 U100.29 U100.30 U100.35 U100.36 U100.41 U100.42 U100.49 U100.50 U100.51 U100.55 U100.59 U100.60 U101.4 X102.4 X102.5 X102.6 X102.9 X102.SH X104.6 X104.7 X104.8

## Polygon pours and split planes (outlines as drawn)
GND on Bottom Layer "GND_L02_P006" (solid, remove dead copper, pour order 6): 27.178,33 61,33 61,0 27.178,0
GND2 on Bottom Layer "GND2_L02_P007" (solid, remove dead copper, pour order 7): 22.225,22.926 17.653,26.543 0,26.543 0,-0.254 12.806,-0.254 20.817,-0.127 20.817,3.672 22.225,5.08

## Keep-outs
Keep-Out Layer:
  circle w0.254: c5.715,29 r3.5
  circle w0.254: c5.715,4 r4

## Other copper
Bottom Layer:
  text "D5035-01-03" at 2.921,23.749 h1.52 r90

## Silkscreen, mask and mechanical layers (free items; w line width, h text height)
Top Solder:
  rectangle: 23.495,6.096 26.162,25.4
Bottom Solder:
  rectangle: 23.495,6.096 26.162,25.4
M1_Dimension:
  the board outline again, w0.254

## Dimensions
3,33 to 61,31 on M2_Measures
3,33 to 3,0 on M2_Measures